# Altium PCB PCB MODULE AM625.PcbDoc (part 1 of 4) (continued)
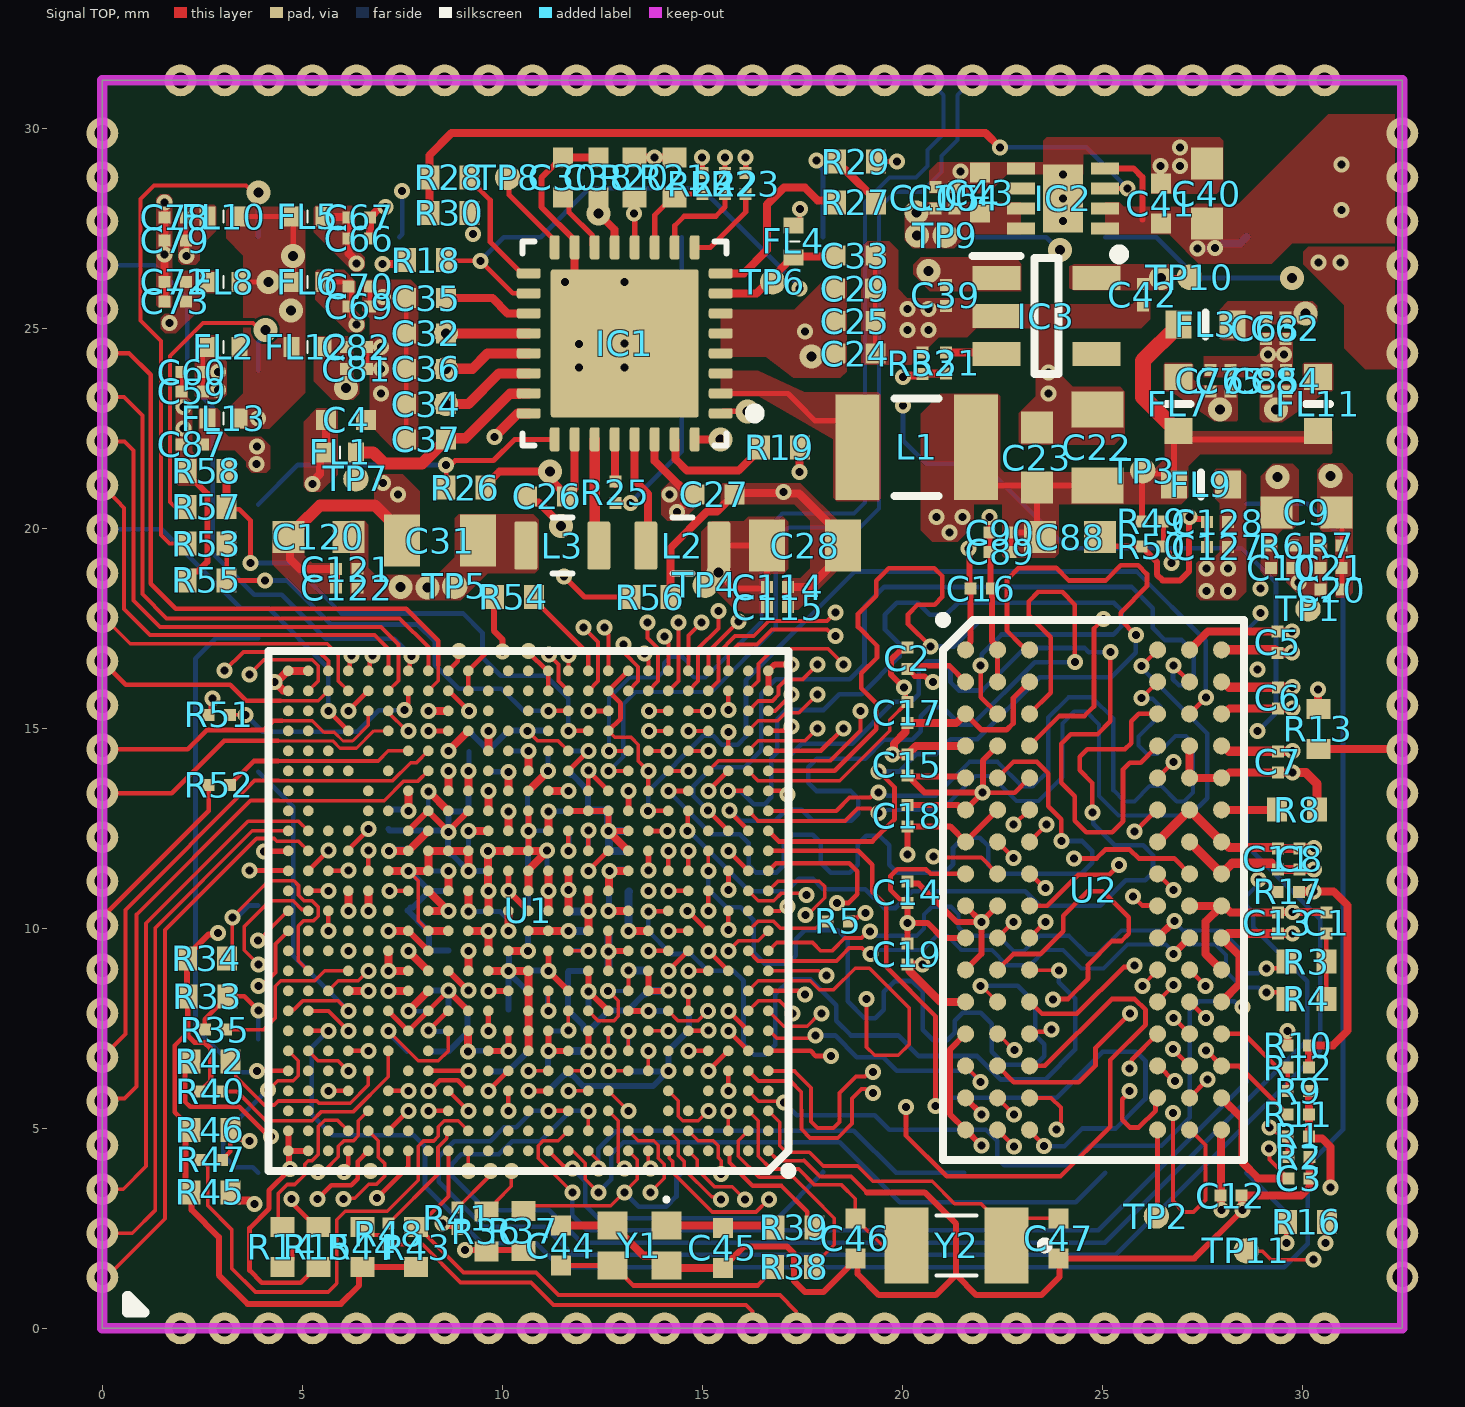
[diagram p0: Signal TOP view]
## Components (designator, comment, footprint, x,y, rotation, side; value= is the part's Value field where it differs from the comment) (continued)
C102 "100n" C0201 9.902,11.432 r180 bottom
C103 "100n" C0201 8.398,12.925 r0 bottom
C104 "4.7uF" C0201 21.304,28.263 r90 top
C105 "1uF" C0201 20.826,28.263 r90 top
C106 "100n" C0201 10.15,14.686 r90 bottom
C107 "100n" C0201 8.179,10.171 r270 bottom
C108 "100n" C0201 11.145,6.2 r270 bottom
C109 "100n" C0201 7.652,12.218 r90 bottom
C110 "100n" C0201 7.15,12.747 r270 bottom
C111 "100n" C0201 9.164,14.686 r90 bottom
C112 "100n" C0201 10.149,7.7 r90 bottom
C113 "100n" C0201 11.9,7.95 r180 bottom
C114 "4.7uF" C0201 16.883,18.53 r0 top
C115 "1uF" C0201 16.883,18.03 r0 top
C116 "100n" C0201 8.16,8.186 r90 bottom
C117 "100n" C0201 7.635,10.179 r90 bottom
C118 "100n" C0201 11.645,6.675 r270 bottom
C119 "100n" C0201 13.399,11.926 r180 bottom
C120 "10uF" C0603 5.402,19.783 r0 top
C121 "4.7uF" C0201 6.112,18.98 r180 top
C122 "1uF" C0201 6.112,18.515 r180 top
C123 "100n" C0201 12.4,9.936 r180 bottom
C124 "100n" C0201 13.164,11.186 r270 bottom
C125 "100n" C0201 12.4,8.936 r180 bottom
C126 "100n" C0201 9.665,6.686 r270 bottom
C127 "4.7uF" C0201 27.881,19.529 r180 top
C128 "1uF" C0201 27.881,20.151 r180 top
C129 "100n" C0201 11.399,10.4 r0 bottom
C130 "100n" C0201 10.15,12.186 r270 bottom
C131 "100n" C0201 12.414,11.926 r0 bottom
C132 "100n" C0201 11.399,8.466 r0 bottom
C133 "100n" C0201 9.4,8.921 r0 bottom
C134 "100n" C0201 8.899,10.932 r180 bottom
C135 "10n" C0201 13.655,8.686 r270 bottom
FL1 "BLM15PX121SN1D" NFZ15SG152SN10B 5.943,21.901 r0 top
FL2 "BLM15PX121SN1D" NFZ15SG152SN10B 3.035,24.535 r0 top
FL3 "BLM18SG260TN1D" BLM18EG101TH1D 27.581,25.1 r0 top
FL4 "BLM15PX121SN1D" NFZ15SG152SN10B 17.275,27.172 r270 top
FL5 "BLM15PX121SN1D" NFZ15SG152SN10B 5.13,27.795 r180 top
FL6 "BLM15PX121SN1D" NFZ15SG152SN10B 5.13,26.161 r180 top
FL7 "BLM18SG260TN1D" BLM18EG101TH1D 26.9,23.105 r90 top
FL8 "BLM15PX121SN1D" NFZ15SG152SN10B 3.035,26.161 r0 top
FL9 "BLM18SG260TN1D" BLM18EG101TH1D 27.462,21.101 r0 top
FL10 "BLM15PX121SN1D" NFZ15SG152SN10B 3.035,27.795 r0 top
FL11 "BLM18SG260TN1D" BLM18EG101TH1D 30.398,23.105 r90 top
FL12 "BLM15PX121SN1D" NFZ15SG152SN10B 5.128,24.535 r180 top
FL13 "BLM15PX121SN1D" NFZ15SG152SN10B 3.035,22.75 r0 top
IC1 "TPS6521904RHBR" "32-VQFN (5x5)" 13.061,24.622 r180 top
IC2 "TPS22965DSGT" SON50P200X200X80-9N 24.02,28.248 r180 top
IC3 "TLV75518PDBVR" SOT95P280X145-5N 23.605,25.306 r0 top
L1 "0.47uH/8.5A" INDC3225X20N 20.358,22.022 r0 top
L2 "0.47uH/4A" FP-TFM201208BLE-R47MTCF_0805-MFG 14.5,19.568 r0 top
L3 "0.47uH/4A" FP-TFM201208BLE-R47MTCF_0805-MFG 11.5,19.568 r180 top
PIN1 "Pin OUT AM625" "PIN_OUT AM625 - 136PIN" 16.25,15.4 r0 top locked
R1 "1k" R0201 29.9,4.8 r0 top
R2 "1k" R0201 29.915,4.288 r180 top
R3 "39.2R" R0402 30.1,9.167 r0 top
R4 "39.2R" R0402 30.1,8.23 r0 top
R5 "240R" R0201 18.4,10.171 r180 top
R6 "1k" R0201 29.488,19.568 r0 top
R7 "1k" R0201 30.715,19.568 r0 top
R8 "240R" R0402 29.869,12.97 r0 top
R9 "1k" R0201 29.9,5.936 r180 top
R10 "10k" R0201 29.9,7.074 r0 top
R11 "10k" R0201 29.9,5.342 r0 top
R12 "1k" R0201 29.9,6.516 r0 top
R13 "22R" R0402 30.4,14.988 r90 top
R14 "0R" R0402 4.5,2.028 r90 top
R15 "49R9" R0402 5.4,2.028 r90 top value=49.9R
R16 "22R" R0402 30.112,2.663 r0 top
R17 "10k" R0201 29.65,10.912 r180 top
R18 "10k" R0402 8.097,26.705 r180 top
R19 "10k" R0402 16.937,22.022 r0 top
R20 "10k" R0402 13.311,28.771 r90 top
R21 "10k" R0402 14.3,28.771 r90 top
R22 "0R" R0201 15.57,28.619 r270 top
R23 "0R" R0201 16.085,28.619 r270 top
R24 "0R" R0201 15,28.619 r270 top
R25 "0R" R0201 12.825,20.9 r270 top
R26 "0R" R0402 9.079,21.018 r180 top
R27 "0R" R0402 18.839,28.15 r180 top
R28 "0R" R0402 8.68,28.771 r0 top
R29 "10k" R0402 18.845,29.169 r0 top
R30 "10k" R0402 8.68,27.884 r0 top
R31 "0R" R0201 21.09,24.135 r90 top
R32 "10k" R0201 20.5,24.126 r90 top
R33 "2k2" R0402 2.635,8.299 r180 top
R34 "2k2" R0402 2.613,9.25 r180 top
R35 "33R" R0201 2.829,7.469 r0 top
R36 "2k2" R0402 9.6,2.425 r270 top
R37 "2k2" R0402 10.53,2.436 r270 top
R38 "0R" R0402 17.295,1.535 r0 top
R39 "0R" R0402 17.3,2.525 r0 top
R40 "10k" R0201 2.706,5.921 r180 top
R41 "10k" R0201 8.885,2.75 r270 top
R42 "0R" R0402 2.7,6.675 r0 top
R43 "2k2" R0402 7.843,2.028 r270 top
R44 "2k2" R0402 6.5,2.028 r270 top
R45 "2k2" R0402 2.7,3.4 r180 top
R46 "2k2" R0402 2.7,4.961 r180 top
R47 "33R" R0201 2.725,4.21 r180 top
R48 "33R" R0201 7.161,2.361 r90 top
R49 "56.2K" R0201 26.242,20.172 r180 top
R50 "9.76K" R0201 26.242,19.55 r0 top
R51 "33R" R0201 2.923,15.334 r0 top
R52 "33R" R0201 2.923,13.587 r0 top
R53 "10k" R0402 2.61,19.617 r180 top
R54 "499R" R0402 10.286,18.28 r0 top
R55 "10k" R0402 2.61,18.7 r0 top
R56 "499R" R0402 13.7,18.28 r180 top
R57 "10k" R0402 2.61,20.53 r180 top
R58 "10k" R0402 2.61,21.433 r0 top
TP1 "TP_25MILC" TP_25C#1 30.143,17.987 r90 top
TP2 "TP_25MILC" TP_25C#1 26.352,2.806 r90 top
TP3 "TP_25MILC" TP_25C#1 26.013,21.441 r90 top
TP4 "TP_25MILC" TP_25C#1 15.071,18.576 r90 top
TP5 "TP_25MILC" TP_25C#1 8.81,18.549 r90 top
TP6 "TP_25MILC" TP_25C#1 16.76,26.161 r90 top
TP7 "TP_25MILC" TP_25C#1 6.339,21.235 r90 top
TP8 "TP_25MILC" TP_25C#1 10.134,28.771 r90 top
TP9 "TP_25MILC" TP_25C#2 20.871,27.221 r180 top
TP10 "TP_25MILC" TP_25C#1 27.181,26.278 r90 top
TP11 "TP_25MILC" TP_25C#1 28.6,1.936 r90 top
U1 "AM62-EVM_BGA425" BGA425C50P25X25_1300X1300X89 10.65,10.436 r180 top locked
U2 "MT40A512M16LY_FBGA96" BGA96C80P9X16_750X1350X120 24.781,10.961 r0 top locked
Y1 "25MHZ" XRCGB25M000F3M00R0 13.425,2.068 r180 top
Y2 "32.7680KHZ" ECS327934QSTR 21.361,2.075 r180 top

## Footprints (in the part's own frame and the unit in brackets; to place one, negate y for a bottom-side part, rotate by r counter-clockwise, add the part's x,y. Pads: shape width x height; smd on the part's side, far side on the other; paste and mask are expansions set on the pad)
"32-VQFN (5x5)" [mm]
  rrect40% 0.6x0.25 smd paste+0 mask+0: 1(-2.4,1.75) 2(-2.4,1.25) 3(-2.4,0.75) 4(-2.4,0.25) 5(-2.4,-0.25) 6(-2.4,-0.75) 7(-2.4,-1.25) 8(-2.4,-1.75) 17(2.4,-1.75) 18(2.4,-1.25) 19(2.4,-0.75) 20(2.4,-0.25) 21(2.4,0.25) 22(2.4,0.75) 23(2.4,1.25) 24(2.4,1.75)
  rrect40% 0.25x0.6 smd paste+0 mask+0: 9(-1.75,-2.4) 10(-1.25,-2.4) 11(-0.75,-2.4) 12(-0.25,-2.4) 13(0.25,-2.4) 14(0.75,-2.4) 15(1.25,-2.4) 16(1.75,-2.4) 25(1.75,2.4) 26(1.25,2.4) 27(0.75,2.4) 28(0.25,2.4) 29(-0.25,2.4) 30(-0.75,2.4) 31(-1.25,2.4) 32(-1.75,2.4)
  rrect3% 3.7x3.7 smd paste-1000 mask+0: 33(0,0)
  silkscreen extent -3.38,-2.55 2.55,2.55, body extent -2.5,-2.5 2.5,2.5, height 1
BGA96C80P9X16_750X1350X120 [mm]
  round 0.426 smd mask+0.102: A1(-3.2,6) A2(-2.4,6) A3(-1.6,6) A7(1.6,6) A8(2.4,6) A9(3.2,6) B1(-3.2,5.2) B2(-2.4,5.2) B3(-1.6,5.2) B7(1.6,5.2) B8(2.4,5.2) B9(3.2,5.2) C1(-3.2,4.4) C2(-2.4,4.4) C3(-1.6,4.4) C7(1.6,4.4) C8(2.4,4.4) C9(3.2,4.4) D1(-3.2,3.6) D2(-2.4,3.6) D3(-1.6,3.6) D7(1.6,3.6) D8(2.4,3.6) D9(3.2,3.6) E1(-3.2,2.8) E2(-2.4,2.8) E3(-1.6,2.8) E7(1.6,2.8) E8(2.4,2.8) E9(3.2,2.8) F1(-3.2,2) F2(-2.4,2) F3(-1.6,2) F7(1.6,2) F8(2.4,2) F9(3.2,2) G1(-3.2,1.2) G2(-2.4,1.2) G3(-1.6,1.2) G7(1.6,1.2) G8(2.4,1.2) G9(3.2,1.2) H1(-3.2,0.4) H2(-2.4,0.4) H3(-1.6,0.4) H7(1.6,0.4) H8(2.4,0.4) H9(3.2,0.4) J1(-3.2,-0.4) J2(-2.4,-0.4) J3(-1.6,-0.4) J7(1.6,-0.4) J8(2.4,-0.4) J9(3.2,-0.4) K1(-3.2,-1.2) K2(-2.4,-1.2) K3(-1.6,-1.2) K7(1.6,-1.2) K8(2.4,-1.2) K9(3.2,-1.2) L1(-3.2,-2) L2(-2.4,-2) L3(-1.6,-2) L7(1.6,-2) L8(2.4,-2) L9(3.2,-2) M1(-3.2,-2.8) M2(-2.4,-2.8) M3(-1.6,-2.8) M7(1.6,-2.8) M8(2.4,-2.8) M9(3.2,-2.8) N1(-3.2,-3.6) N2(-2.4,-3.6) N3(-1.6,-3.6) N7(1.6,-3.6) N8(2.4,-3.6) N9(3.2,-3.6) P1(-3.2,-4.4) P2(-2.4,-4.4) P3(-1.6,-4.4) P7(1.6,-4.4) P8(2.4,-4.4) P9(3.2,-4.4) R1(-3.2,-5.2) R2(-2.4,-5.2) R3(-1.6,-5.2) R7(1.6,-5.2) R8(2.4,-5.2) R9(3.2,-5.2) T1(-3.2,-6) T2(-2.4,-6) T3(-1.6,-6) T7(1.6,-6) T8(2.4,-6) T9(3.2,-6)
  silkscreen extent -3.86,-6.75 3.76,6.85, body extent -3.75,-6.75 3.75,6.75, height 1.2
BGA425C50P25X25_1300X1300X89 [mm]
  round 0.27 smd mask+0.05: A1(-6,6) A2(-5.5,6) A3(-5,6) A4(-4.5,6) A5(-4,6) A6(-3.5,6) A7(-3,6) A8(-2.5,6) A9(-2,6) A10(-1.5,6) A11(-1,6) A12(-0.5,6) A13(0,6) A14(0.5,6) A15(1,6) A16(1.5,6) A17(2,6) A18(2.5,6) A19(3,6) A20(3.5,6) A21(4,6) A22(4.5,6) A23(5,6) A24(5.5,6) A25(6,6) AA1(-6,-4) AA2(-5.5,-4) AA3(-5,-4) AA5(-4,-4) AA7(-3,-4) AA8(-2.5,-4) AA11(-1,-4) AA12(-0.5,-4) AA14(0.5,-4) AA15(1,-4) AA18(2.5,-4) AA19(3,-4) AA21(4,-4) AA23(5,-4) AA24(5.5,-4) AA25(6,-4) AB1(-6,-4.5) AB2(-5.5,-4.5) AB4(-4.5,-4.5) AB6(-3.5,-4.5) AB9(-2,-4.5) AB10(-1.5,-4.5) AB12(-0.5,-4.5) AB14(0.5,-4.5) AB16(1.5,-4.5) AB17(2,-4.5) AB20(3.5,-4.5) AB22(4.5,-4.5) AB24(5.5,-4.5) AB25(6,-4.5) AC1(-6,-5) AC2(-5.5,-5) AC5(-4,-5) AC6(-3.5,-5) AC9(-2,-5) AC11(-1,-5) AC13(0,-5) AC15(1,-5) AC17(2,-5) AC20(3.5,-5) AC21(4,-5) AC24(5.5,-5) AC25(6,-5) AD1(-6,-5.5) AD2(-5.5,-5.5) AD3(-5,-5.5) AD4(-4.5,-5.5) AD5(-4,-5.5) AD6(-3.5,-5.5) AD7(-3,-5.5) AD8(-2.5,-5.5) AD9(-2,-5.5) AD10(-1.5,-5.5) AD11(-1,-5.5) AD12(-0.5,-5.5) AD13(0,-5.5) AD14(0.5,-5.5) AD15(1,-5.5) AD16(1.5,-5.5) AD17(2,-5.5) AD18(2.5,-5.5) AD19(3,-5.5) AD20(3.5,-5.5) AD21(4,-5.5) AD22(4.5,-5.5) AD23(5,-5.5) AD24(5.5,-5.5) AD25(6,-5.5) AE1(-6,-6) AE2(-5.5,-6) AE3(-5,-6) AE4(-4.5,-6) AE5(-4,-6) AE6(-3.5,-6) AE7(-3,-6) AE8(-2.5,-6) AE9(-2,-6) AE10(-1.5,-6) AE11(-1,-6) AE12(-0.5,-6) AE13(0,-6) AE14(0.5,-6) AE15(1,-6) AE16(1.5,-6) AE17(2,-6) AE18(2.5,-6) AE19(3,-6) AE20(3.5,-6) AE21(4,-6) AE22(4.5,-6) AE23(5,-6) AE24(5.5,-6) AE25(6,-6) B1(-6,5.5) B2(-5.5,5.5) B3(-5,5.5) B4(-4.5,5.5) B5(-4,5.5) B6(-3.5,5.5) B7(-3,5.5) B8(-2.5,5.5) B9(-2,5.5) B10(-1.5,5.5) B11(-1,5.5) B12(-0.5,5.5) B13(0,5.5) B14(0.5,5.5) B15(1,5.5) B16(1.5,5.5) B17(2,5.5) B18(2.5,5.5) B19(3,5.5) B20(3.5,5.5) B21(4,5.5) B22(4.5,5.5) B23(5,5.5) B24(5.5,5.5) B25(6,5.5) C1(-6,5) C2(-5.5,5) C5(-4,5) C6(-3.5,5) C9(-2,5) C11(-1,5) C13(0,5) C15(1,5) C17(2,5) C20(3.5,5) C21(4,5) C24(5.5,5) C25(6,5) D1(-6,4.5) D2(-5.5,4.5) D4(-4.5,4.5) D6(-3.5,4.5) D9(-2,4.5) D10(-1.5,4.5) D12(-0.5,4.5) D14(0.5,4.5) D16(1.5,4.5) D17(2,4.5) D20(3.5,4.5) D22(4.5,4.5) D24(5.5,4.5) D25(6,4.5) E1(-6,4) E2(-5.5,4) E3(-5,4) E5(-4,4) E7(-3,4) E8(-2.5,4) E11(-1,4) E12(-0.5,4) E14(0.5,4) E15(1,4) E18(2.5,4) E19(3,4) E21(4,4) E23(5,4) E24(5.5,4) E25(6,4) F1(-6,3.5) F2(-5.5,3.5) F3(-5,3.5) F4(-4.5,3.5) F6(-3.5,3.5) F8(-2.5,3.5) F11(-1,3.5) F13(0,3.5) F15(1,3.5) F18(2.5,3.5) F20(3.5,3.5) F22(4.5,3.5) F23(5,3.5) F24(5.5,3.5) F25(6,3.5) G1(-6,3) G2(-5.5,3) G5(-4,3) G7(-3,3) G9(-2,3) G10(-1.5,3) G12(-0.5,3) G13(0,3) G14(0.5,3) G16(1.5,3) G17(2,3) G19(3,3) G21(4,3) G24(5.5,3) G25(6,3) H1(-6,2.5) H2(-5.5,2.5) H5(-4,2.5) H6(-3.5,2.5) H8(-2.5,2.5) H9(-2,2.5) H10(-1.5,2.5) H11(-1,2.5) H13(0,2.5) H15(1,2.5) H16(1.5,2.5) H17(2,2.5) H18(2.5,2.5) H20(3.5,2.5) H21(4,2.5) H24(5.5,2.5) H25(6,2.5) J1(-6,2) J2(-5.5,2) J3(-5,2) J4(-4.5,2) J7(-3,2) J8(-2.5,2) J11(-1,2) J12(-0.5,2) J13(0,2) J14(0.5,2) J18(2.5,2) J19(3,2) J22(4.5,2) J23(5,2) J24(5.5,2) J25(6,2) K1(-6,1.5) K2(-5.5,1.5) K3(-5,1.5) K4(-4.5,1.5) K7(-3,1.5) K9(-2,1.5) K10(-1.5,1.5) K13(0,1.5) K15(1,1.5) K16(1.5,1.5) K17(2,1.5) K18(2.5,1.5) K19(3,1.5) K22(4.5,1.5) K24(5.5,1.5) K25(6,1.5) L1(-6,1) L2(-5.5,1) L5(-4,1) L6(-3.5,1) L8(-2.5,1) L11(-1,1) L12(-0.5,1) L14(0.5,1) L15(1,1) L18(2.5,1) L20(3.5,1) L21(4,1) L23(5,1) L24(5.5,1) L25(6,1) M1(-6,0.5) M2(-5.5,0.5) M4(-4.5,0.5) M5(-4,0.5) M7(-3,0.5) M9(-2,0.5) M10(-1.5,0.5) M12(-0.5,0.5) M13(0,0.5) M16(1.5,0.5) M17(2,0.5) M18(2.5,0.5) M19(3,0.5) M21(4,0.5) M22(4.5,0.5) M24(5.5,0.5) M25(6,0.5) N1(-6,0) N2(-5.5,0) N3(-5,0) N6(-3.5,0) N8(-2.5,0) N11(-1,0) N12(-0.5,0) N13(0,0) N14(0.5,0) N15(1,0) N18(2.5,0) N20(3.5,0) N23(5,0) N24(5.5,0) N25(6,0) P1(-6,-0.5) P2(-5.5,-0.5) P4(-4.5,-0.5) P5(-4,-0.5) P7(-3,-0.5) P9(-2,-0.5) P10(-1.5,-0.5) P13(0,-0.5) P16(1.5,-0.5) P17(2,-0.5) P18(2.5,-0.5) P19(3,-0.5) P21(4,-0.5) P22(4.5,-0.5) P24(5.5,-0.5) P25(6,-0.5) R1(-6,-1) R2(-5.5,-1) R3(-5,-1) R5(-4,-1) R6(-3.5,-1) R8(-2.5,-1) R11(-1,-1) R12(-0.5,-1) R13(0,-1) R14(0.5,-1) R15(1,-1) R18(2.5,-1) R20(3.5,-1) R21(4,-1) R23(5,-1) R24(5.5,-1) R25(6,-1) T1(-6,-1.5) T2(-5.5,-1.5) T4(-4.5,-1.5) T7(-3,-1.5) T8(-2.5,-1.5) T9(-2,-1.5) T10(-1.5,-1.5) T13(0,-1.5) T14(0.5,-1.5) T16(1.5,-1.5) T17(2,-1.5) T18(2.5,-1.5) T19(3,-1.5) T22(4.5,-1.5) T24(5.5,-1.5) T25(6,-1.5) U1(-6,-2) U2(-5.5,-2) U3(-5,-2) U4(-4.5,-2) U7(-3,-2) U8(-2.5,-2) U11(-1,-2) U12(-0.5,-2) U14(0.5,-2) U15(1,-2) U18(2.5,-2) U19(3,-2) U22(4.5,-2) U23(5,-2) U24(5.5,-2) U25(6,-2) V1(-6,-2.5) V2(-5.5,-2.5) V5(-4,-2.5) V6(-3.5,-2.5) V8(-2.5,-2.5) V9(-2,-2.5) V10(-1.5,-2.5) V11(-1,-2.5) V13(0,-2.5) V15(1,-2.5) V16(1.5,-2.5) V17(2,-2.5) V18(2.5,-2.5) V20(3.5,-2.5) V21(4,-2.5) V24(5.5,-2.5) V25(6,-2.5) W1(-6,-3) W2(-5.5,-3) W5(-4,-3) W7(-3,-3) W9(-2,-3) W10(-1.5,-3) W12(-0.5,-3) W13(0,-3) W14(0.5,-3) W16(1.5,-3) W17(2,-3) W19(3,-3) W21(4,-3) W24(5.5,-3) W25(6,-3) Y1(-6,-3.5) Y2(-5.5,-3.5) Y3(-5,-3.5) Y4(-4.5,-3.5) Y6(-3.5,-3.5) Y8(-2.5,-3.5) Y11(-1,-3.5) Y13(0,-3.5) Y15(1,-3.5) Y18(2.5,-3.5) Y20(3.5,-3.5) Y22(4.5,-3.5) Y23(5,-3.5) Y24(5.5,-3.5) Y25(6,-3.5)
  round 0.27 smd mask+0.102: M8(-2.5,0.5)
  silkscreen extent -6.6,-6.5 6.5,6.6, body extent -6.5,-6.5 6.5,6.5, height 0.89
BLM18EG101TH1D [mm]
  rect 0.65x0.7 smd: 1(-0.675,0) 2(0.675,0)
  silkscreen extent 0,-0.3 0,0.3, body extent -0.8,-0.4 0.8,0.4, height 0.5
C0201 [mm]
  rect 0.3x0.3 smd mask+0.04: 1(-0.265,0) 2(0.265,0)
  body extent -0.3,-0.15 0.3,0.15, height 0.3
C0402 [mm]
  rect 0.5x0.5 smd: 1(-0.5,0) 2(0.5,0)
  body extent -0.5,-0.25 0.5,0.25, height 0.56
C0603 [mm]
  rect 0.8x0.8 smd: 1(-0.75,0) 2(0.75,0)
  body extent -0.8,-0.42 0.8,0.44, height 0.95
C0805 [mm]
  rect 0.9x1.3 smd: 1(-0.95,0) 2(0.95,0)
  body extent -1,-0.6 1,0.6, height 1.5
ECS327934QSTR [mm]
  rect 1.1x1.9 smd: 1(-1.25,0) 2(1.25,0)
  silkscreen extent -2.3,-0.75 0.5,0.75, body extent -1.64,-0.75 1.56,0.75, height 0.9
FP-TFM201208BLE-R47MTCF_0805-MFG [mm]
  rrect17% 0.575x1.2 smd paste+0 mask+0: 1(-0.913,0) 2(0.913,0)
  silkscreen extent -0.25,-0.7 0.25,0.7, body extent -1,-0.6 1,0.6, height 0.8
INDC3225X20N [mm] "Chip Inductor, 2-Leads, Body 3.20x2.50mm, IPC Medium Density"
  rect 1.1x2.64 smd: 1(-1.48,0) 2(1.48,0)
  silkscreen extent -0.55,-1.22 0.55,1.22, body extent -1.6,-1.25 1.6,1.25, height 2
NFZ15SG152SN10B [mm]
  rect 0.4x0.5 smd: 1(-0.4,0) 2(0.4,0)
  silkscreen extent 0,-0.15 0,0.15, body extent -0.5,-0.25 0.5,0.25, height 0.5
"PIN_OUT AM625 - 136PIN" [mm]
  oval 1.6x0.8 smd far side: 1(-15.85,-14.121) 2(-15.85,-13.021) 3(-15.85,-11.921) 4(-15.85,-10.821) 5(-15.85,-9.721) 6(-15.85,-8.621) 7(-15.85,-7.521) 8(-15.85,-6.421) 9(-15.85,-5.321) 10(-15.85,-4.221) 11(-15.85,-3.121) 12(-15.85,-2.021) 13(-15.85,-0.921) 14(-15.85,0.179) 15(-15.85,1.279) 16(-15.85,2.379) 17(-15.85,3.479) 18(-15.85,4.579) 19(-15.85,5.679) 20(-15.85,6.779) 21(-15.85,7.879) 22(-15.85,8.979) 23(-15.85,10.079) 24(-15.85,11.179) 25(-15.85,12.279) 26(-15.85,13.379) 27(-15.85,14.479) 55(15.85,14.475) 56(15.85,13.379) 57(15.85,12.279) 58(15.85,11.179) 59(15.85,10.079) 60(15.85,8.979) 61(15.85,7.879) 62(15.85,6.779) 63(15.85,5.679) 64(15.85,4.579) 65(15.85,3.479) 66(15.85,2.379) 67(15.85,1.279) 68(15.85,0.179) 69(15.85,-0.921) 70(15.85,-2.021) 71(15.85,-3.121) 72(15.85,-4.221) 73(15.85,-5.321) 74(15.85,-6.421) 75(15.85,-7.521) 76(15.85,-8.621) 77(15.85,-9.721) 78(15.85,-10.821) 79(15.85,-11.921) 80(15.85,-13.021) 81(15.85,-14.121)
  round 0.8 hole 0.4: 1_1(-16.25,-14.121) 1_2(-16.25,-14.121) 2_1(-16.25,-13.021) 2_2(-16.25,-13.021) 3_1(-16.25,-11.921) 3_2(-16.25,-11.921) 4_1(-16.25,-10.821) 4_2(-16.25,-10.821) 5_1(-16.25,-9.721) 5_2(-16.25,-9.721) 6_1(-16.25,-8.621) 6_2(-16.25,-8.621) 7_1(-16.25,-7.521) 7_2(-16.25,-7.521) 8_1(-16.25,-6.421) 8_2(-16.25,-6.421) 9_1(-16.25,-5.321) 9_2(-16.25,-5.321) 10_1(-16.25,-4.221) 10_2(-16.25,-4.221) 11_1(-16.25,-3.121) 11_2(-16.25,-3.121) 12_1(-16.25,-2.021) 12_2(-16.25,-2.021) 13_1(-16.25,-0.921) 13_2(-16.25,-0.921) 14_1(-16.25,0.179) 14_2(-16.25,0.179) 15_1(-16.25,1.279) 15_2(-16.25,1.279) 16_1(-16.25,2.379) 16_2(-16.25,2.379) 17_1(-16.25,3.479) 17_2(-16.25,3.479) 18_1(-16.25,4.579) 18_2(-16.25,4.579) 19_1(-16.25,5.679) 19_2(-16.25,5.679) 20_1(-16.25,6.779) 20_2(-16.25,6.779) 21_1(-16.25,7.879) 21_2(-16.25,7.879) 22_1(-16.25,8.979) 22_2(-16.25,8.979) 23_1(-16.25,10.079) 23_2(-16.25,10.079) 24_1(-16.25,11.179) 24_2(-16.25,11.179) 25_1(-16.25,12.279) 25_2(-16.25,12.279) 26_1(-16.25,13.379) 26_2(-16.25,13.379) 27_1(-16.25,14.479) 27_2(-16.25,14.479) 28_1(-14.294,15.8) 29_1(-13.194,15.8) 30_1(-12.094,15.8) 31_1(-10.994,15.8) 32_1(-9.894,15.8) 33_1(-8.794,15.8) 34_1(-7.694,15.8) 35_1(-6.594,15.8) 36_1(-5.494,15.8) 37_1(-4.394,15.8) 38_1(-3.294,15.8) 39_1(-2.194,15.8) 40_1(-1.094,15.8) 41_1(0.006,15.8) 42_1(1.106,15.8) 43_1(2.206,15.8) 44_1(3.306,15.8) 45_1(4.406,15.8) 46_1(5.506,15.8) 47_1(6.606,15.8) 48_1(7.706,15.8) 49_1(8.806,15.8) 50_1(9.906,15.8) 51_1(11.006,15.8) 52_1(12.106,15.8) 53_1(13.206,15.8) 54_1(14.306,15.8) 55_1(16.25,14.479) 56_1(16.25,13.379) 57_1(16.25,12.279) 58_1(16.25,11.179) 59_1(16.25,10.079) 60_1(16.25,8.979) 61_1(16.25,7.879) 62_1(16.25,6.779) 63_1(16.25,5.679) 64_1(16.25,4.579) 65_1(16.25,3.479) 66_1(16.25,2.379) 67_1(16.25,1.279) 68_1(16.25,0.179) 69_1(16.25,-0.921) 70_1(16.25,-2.021) 71_1(16.25,-3.121) 72_1(16.25,-4.221) 73_1(16.25,-5.321) 74_1(16.25,-6.421) 75_1(16.25,-7.521) 76_1(16.25,-8.621) 77_1(16.25,-9.721) 78_1(16.25,-10.821) 79_1(16.25,-11.921) 80_1(16.25,-13.021) 82_1(14.306,-15.4) 83_1(13.206,-15.4) 84_1(12.106,-15.4) 85_1(11.006,-15.4) 86_1(9.906,-15.4) 87_1(8.806,-15.4) 88_1(7.706,-15.4) 89_1(6.606,-15.4) 90_1(5.506,-15.4) 91_1(4.406,-15.4) 92_1(3.306,-15.4) 93_1(2.206,-15.4) 94_1(1.106,-15.4) 95_1(0.006,-15.4) 96_1(-1.094,-15.4) 97_1(-2.194,-15.4) 98_1(-3.294,-15.4) 99_1(-4.394,-15.4) 100_1(-5.494,-15.4) 101_1(-6.594,-15.4) 102_1(-7.694,-15.4) 103_1(-8.794,-15.4) 104_1(-9.894,-15.4) 105_1(-10.994,-15.4) 106_1(-12.094,-15.4) 107_1(-13.194,-15.4) 108_1(-14.294,-15.4)
  oval 0.8x1.6 smd far side: 28(-14.294,15.4) 29(-13.194,15.4) 30(-12.094,15.4) 31(-10.994,15.4) 32(-9.894,15.4) 33(-8.794,15.4) 34(-7.694,15.4) 35(-6.594,15.4) 36(-5.494,15.4) 37(-4.394,15.4) 38(-3.294,15.4) 39(-2.194,15.4) 40(-1.094,15.4) 41(0.006,15.4) 42(1.106,15.4) 43(2.206,15.4) 44(3.306,15.4) 45(4.406,15.4) 46(5.506,15.4) 47(6.606,15.4) 48(7.706,15.4) 49(8.806,15.4) 50(9.906,15.4) 51(11.006,15.4) 52(12.106,15.4) 53(13.206,15.4) 54(14.306,15.4) 82(14.306,-15) 83(13.206,-15) 84(12.106,-15) 85(11.006,-15) 86(9.906,-15) 87(8.806,-15) 88(7.706,-15) 89(6.606,-15) 90(5.506,-15) 91(4.406,-15) 92(3.306,-15) 93(2.206,-15) 94(1.106,-15) 95(0.006,-15) 96(-1.094,-15) 97(-2.194,-15) 98(-3.294,-15) 99(-4.394,-15) 100(-5.494,-15) 101(-6.594,-15) 102(-7.694,-15) 103(-8.794,-15) 104(-9.894,-15) 105(-10.994,-15) 106(-12.094,-15) 107(-13.194,-15) 108(-14.294,-15)
  round 0.8 hole 0.5: 81_1(16.25,-14.121)
  round 1 smd far side: 109(-12.35,11.879) 110(-8.821,11.879) 111(-5.292,11.879) 112(-1.763,11.879) 113(1.766,11.879) 114(5.295,11.879) 115(8.824,11.879) 116(12.353,11.879) 117(12.353,8.537) 118(12.353,5.195) 119(12.353,1.853) 120(12.353,-1.489) 121(12.353,-4.831) 122(12.353,-8.173) 123(12.353,-11.515) 124(8.824,-11.515) 125(5.295,-11.515) 126(1.766,-11.515) 127(-1.763,-11.515) 128(-5.292,-11.515) 129(-8.821,-11.515) 130(-12.35,-11.515) 131(-12.35,-8.173) 132(-12.35,-4.831) 133(-12.35,-1.489) 134(-12.35,1.853) 135(-12.35,5.195) 136(-12.35,8.537)
R0201 [mm] "Creator MM"
  rect 0.3x0.3 smd mask+0.04: 1(-0.265,0) 2(0.265,0)
  body extent -0.3,-0.15 0.3,0.15, height 0.32
R0402 [mm]
  rect 0.5x0.6 smd: 1(-0.5,0) 2(0.5,0)
  body extent -0.5,-0.25 0.5,0.25, height 0.4
SON50P200X200X80-9N [mm]
  rect 0.7x0.3 smd: 1(-1.05,0.75) 2(-1.05,0.25) 3(-1.05,-0.25) 4(-1.05,-0.75) 5(1.05,-0.75) 6(1.05,-0.25) 7(1.05,0.25) 8(1.05,0.75)
  rect 1x1.7 smd: 9(0,0)
  silkscreen extent -1.53,1.28 -1.28,1.52, body extent -1,-1 1,1, height 0.77
SOT95P280X145-5N [mm]
  rect 1.2x0.6 smd: 1(-1.25,0.95) 2(-1.25,0) 3(-1.25,-0.95) 4(1.25,-0.95) 5(1.25,0.95)
  silkscreen extent -1.85,-1.45 0.3,1.5, body extent -1.4,-1.45 1.4,1.45, height 1.2
TP_25C#1 [mm]
  round 0.635 smd paste-0.635 mask+0.051: 1(0,0)
TP_25C#2 [mm]
  round 0.635 smd paste-0.635 mask+0.051: 1(-0.2,-0.1)
XRCGB25M000F3M00R0 [mm]
  rect 0.75x0.7 smd: 1(-0.675,-0.5) 2(0.675,-0.5) 3(0.675,0.5) 4(-0.675,0.5)
  silkscreen extent -0.72,-1.2 -0.63,-1.1, body extent -1,-0.8 1,0.8, height 0.8

## Part data
C1 C5 C6 C7 C8 C11 C12 C13 C14 C15 C16 C17 C18 C59 C62 C66 C69 C72 C75 C78 C81 C84 C135: library part C0603X5R1C103K030BA, "CAP CER .01UF 16V 10% X5R 0201", Capacitance=10000pF, Manufacturer="TDK Corporation", Operating Temperature="-55°C ~ 85°C", Package / Case="0201 (0603 Metric)", Ratings=-, Supplier Part Number 1=445-16166-1-ND, Temperature Coefficient=X5R, Tolerance=±10%, Voltage - Rated=16V, .Checked PCB=MM, .Checked SCH=MM, .Creator=MM, Applications="General Purpose", Category=Capacitors, ComponentLink1Description=http://product.tdk.com/en/catalog/datasheets/mlcc_commercial_general_en.pdf, ComponentLink1URL=http://product.tdk.com/en/catalog/datasheets/mlcc_commercial_general_en.pdf, Features=-, Height - Seated (Max)=-, Lead Spacing=-, Lead Style=-, Manufacturer Part Number=C0603X5R1C103K030BA, Mounting Type="Surface Mount, MLCC", Packaging="Cut Tape (CT)", Pricing 1="1=0.1, 10=0.043, 100=0.0196, 250=0.01608, 500=0.01374, 1000=0.0105, 5000=0.00875 (USD)", RoHS="RoHS Compliant", Size / Dimension="0.024\" L x 0.012\" W (0.60mm x 0.30mm)", Stock 1=24793, Supplier 1=Digi-Key, Thickness (Max)="0.013\" (0.33mm)"
C2 C3 C10 C19 C20 C21 C58 C61 C65 C68 C71 C74 C77 C80 C83 C86 C91 C92 C93 C94 C95 C96 C97 C98 C99 C100 C101 C102 C103 C106 C107 C108 C109 C110 C111 C112 C113 C116 C117 C118 C119 C123 C124 C125 C126 C129 C130 C131 C132 C133 C134: library part C0603X5R1C104K030BC, "CAP CER 0.1UF 16V 10% X5R 0201", Capacitance=0.1µF, Manufacturer="TDK Corporation", Operating Temperature="-55°C ~ 85°C", Package / Case="0201 (0603 Metric)", Ratings=-, Supplier Part Number 1=445-7313-1-ND, Temperature Coefficient=X5R, Tolerance=±10%, Voltage - Rated=16V, .Checked PCB=MM, .Checked SCH=MM, .Creator=MM, Applications="General Purpose", Category=Capacitors, ComponentLink1Description=http://product.tdk.com/en/catalog/datasheets/mlcc_commercial_general_en.pdf, ComponentLink1URL=http://product.tdk.com/en/catalog/datasheets/mlcc_commercial_general_en.pdf, Features=-, Height - Seated (Max)=-, Lead Spacing=-, Lead Style=-, Manufacturer Part Number=C0603X5R1C104K030BC, Mounting Type="Surface Mount, MLCC", Packaging="Cut Tape (CT)", Pricing 1="1=0.1, 10=0.046, 100=0.0209, 250=0.01712, 500=0.01464, 1000=0.0114, 5000=0.0095 (USD)", RoHS="RoHS Compliant", Size / Dimension="0.024\" L x 0.012\" W (0.60mm x 0.30mm)", Stock 1=19491, Supplier 1=Digi-Key, Thickness (Max)="0.013\" (0.33mm)"
C4 C29 C30 C32 C33 C35 C36 C37 C38: library part C1005X5R1A225K, "CAP CER 2.2UF 10V 10% X5R 0402", Capacitance=2.2µF, Manufacturer="TDK Corporation", Operating Temperature="-55°C ~ 85°C", Package / Case="0402 (1005 Metric)", Ratings=-, Supplier Part Number 1=445-7392-1-ND, Temperature Coefficient=X5R, Tolerance=±10%, Voltage - Rated=10V, .Checked PCB=used, .Checked SCH=used, Applications="General Purpose", Category=Capacitors, ComponentLink1Description=http://www.tdk.com/pdf/general_B11.pdf, ComponentLink1URL=http://www.tdk.com/pdf/general_B11.pdf, Features=-, Height - Seated (Max)=-, Lead Spacing=-, Lead Style=-, Manufacturer Part Number=C1005X5R1A225K, Mounting Type="Surface Mount, MLCC", Packaging="Cut Tape (CT)", Pricing 1="1=0.42, 10=0.332, 100=0.2, 250=0.15, 500=0.128, 1000=0.1 (USD)", RoHS="RoHS Compliant", Size / Dimension="0.039\" L x 0.020\" W (1.00mm x 0.50mm)", Stock 1=22891, Supplier 1=Digi-Key, Thickness (Max)="0.022\" (0.55mm)"
C9: library part C1608X5R1A226M080AC, "CAP CER 22UF 10V X5R 0603", Capacitance=22µF, Manufacturer="TDK Corporation", Operating Temperature="-55°C ~ 85°C", Package / Case="0603 (1608 Metric)", Ratings=-, Supplier Part Number 1=445-9077-1-ND, Temperature Coefficient=X5R, Tolerance=±20%, Voltage - Rated=10V, .Checked PCB=MM, .Checked SCH=MM, .Creator=MM, Applications="General Purpose", Category=Capacitors, ComponentLink1Description=http://product.tdk.com/en/catalog/datasheets/mlcc_commercial_general_en.pdf, ComponentLink1URL=http://product.tdk.com/en/catalog/datasheets/mlcc_commercial_general_en.pdf, Features=-, Height - Seated (Max)=-, Lead Spacing=-, Lead Style=-, Manufacturer Part Number=C1608X5R1A226M080AC, Mounting Type="Surface Mount, MLCC", Packaging="Cut Tape (CT)", Pricing 1="1=0.49, 10=0.469, 100=0.2275, 250=0.189, 500=0.1715, 1000=0.1575 (USD)", RoHS="RoHS Compliant", Size / Dimension="0.063\" L x 0.031\" W (1.60mm x 0.80mm)", Stock 1=405620, Supplier 1=Digi-Key, Thickness (Max)="0.035\" (0.90mm)"
C22 C28 C31: library part CL21A476MQYNNNG, "47 µF ±20% 6.3V Ceramic Capacitor X5R 0805 (2012 Metric)", Case/Package=0805, Case Code (Metric)=2012, Dielectric=X5R, Manufacturer=Samsung, Manufacturer_Name=SAMSUNG, Max Operating Temperature=85°C, Min Operating Temperature=-55°C, Mouser Part Number=187-CL21A476MQYNNNG, Package Quantity=3000, Supplier Part Number 1=1276-6467-2-ND, Tolerance=20%, VOLTAGE=6.3V, Arrow Part Number=CL21A476MQYNNNG, Arrow Price/Stock=https://www.arrow.com/en/products/cl21a476mqynnng/samsung-electro-mechanics, Capacitance=47uF, Case Code (Imperial)=0805, ComponentLink1Description=https://datasheet.ciiva.com/26838/getdatasheetpartid-687155-26838634.pdf?src-supplier=Verical, ComponentLink1URL=https://datasheet.ciiva.com/26838/getdatasheetpartid-687155-26838634.pdf?src-supplier=Verical, ComponentLink2Description=https://datasheet.ciiva.com/25723/cl21a476mqynnng-25723909.pdf?src-supplier=Digi-Key, ComponentLink2URL=https://datasheet.ciiva.com/25723/cl21a476mqynnng-25723909.pdf?src-supplier=Digi-Key, ComponentLink3Description=https://datasheet.ciiva.com/29199/454310-da-01-en-vs-kondensator-0805-29199769.pdf?src-supplier=Conrad, ComponentLink3URL=https://datasheet.ciiva.com/29199/454310-da-01-en-vs-kondensator-0805-29199769.pdf?src-supplier=Conrad, Datasheet Link=https://www.arrow.com/en/products/cl21a476mqynnng/samsung-electro-mechanics, Depth=1.25mm, Height=1.45mm, Length=2mm, Manufacturer_Part_Number=CL21A476MQYNNNG, Manufacturer Part Number=CL21A476MQYNNNG, Material=Ceramic, Mount="Surface Mount", Mouser Price/Stock=https://www.mouser.co.uk/ProductDetail/Samsung-Electro-Mechanics/CL21A476MQYNNNG?qs=yOVawPpwOwm7Wn%252B7DxvR5g%3D%3D, Packaging="Tape and Reel", Pricing 1="3000=0.0672, 6000=0.0622, 9000=0.0588, 15000=0.0558, 30000=0.0538, 75000=0.0504, 150000=0.0445 (USD)", Radiation Hardening=No, RoHS Compliant=Yes, Series=CL, Stock 1=609000, Supplier 1=Digi-Key, Thickness=0.057inch, Voltage Rating=6.3V, Width=0.049inch
C23 C40 C88 C120: library part CL10A106MQ8NNNC, "10 µF ±20% 6.3V Ceramic Capacitor X5R 0603 (1608 Metric)", Capacitance=470nF, Case/Package=0201, Case Code (Metric)=0603, Dielectric=X5R, Manufacturer=Samsung, Manufacturer_Name=SAMSUNG, Manufacturer Part Number=CL03A474KQ3NNNC, Max Operating Temperature=85°C, Min Operating Temperature=-55°C, Mouser Part Number=187-CL10A106MQ8NNNC, Package Quantity=1, Supplier Part Number 1=1276-1119-6-ND, Tolerance=10%, VOLTAGE=6.3V, Arrow Part Number=CL10A106MQ8NNNC, Arrow Price/Stock=https://www.arrow.com/en/products/cl10a106mq8nnnc/samsung-electro-mechanics?region=nac, Case Code (Imperial)=0201, ComponentLink1Description=https://datasheet.ciiva.com/25798/cl10a106mq8nnnc-25798320.pdf?src-supplier=Digi-Key, ComponentLink1URL=https://datasheet.ciiva.com/25798/cl10a106mq8nnnc-25798320.pdf?src-supplier=Digi-Key, ComponentLink2Description=https://datasheet.ciiva.com/26838/getdatasheetpartid-357557-26838347.pdf?src-supplier=Verical, ComponentLink2URL=https://datasheet.ciiva.com/26838/getdatasheetpartid-357557-26838347.pdf?src-supplier=Verical, ComponentLink3Description=https://datasheet.ciiva.com/16437/cl05b104kq5nnnc-16437327.pdf?src-supplier=Future+Electronics, ComponentLink3URL=https://datasheet.ciiva.com/16437/cl05b104kq5nnnc-16437327.pdf?src-supplier=Future+Electronics, Construction=Flat, Contact Plating=Tin, Datasheet Link=http://uk.rs-online.com/web/p/products/7664718, Depth=0.8mm, Height=0.9mm, Lead Free="Lead Free", Length=0.024inch, Manufacturer_Part_Number=CL10A106MQ8NNNC, Mount="Surface Mount", Mouser Price/Stock=https://www.mouser.co.uk/ProductDetail/Samsung-Electro-Mechanics/CL10A106MQ8NNNC?qs=349EhDEZ59qlB6a%2FjjeGAg%3D%3D, Packaging="Cut Tape", Pricing 1="1=0.11, 10=0.083, 50=0.0452, 100=0.0369, 500=0.0264, 1000=0.0207 (USD)", Radiation Hardening=No, RoHS Compliant=Yes, Series=CL, Stock 1=2081153, Supplier 1=Digi-Key, Thickness=0.013inch, Voltage Rating=6.3V, Voltage Rating (DC)=6.3V, Width=0.012inch